# Altium PCB PCB1.PcbDoc (part 3 of 3)
Units mil, origin at the board's own origin, x right, y up, seen from the top; angles counter-clockwise.
Board outline 9239.32 x 6085 mil, 4 copper layers (Top Layer, GND, Power, Bottom Layer), stack 57.48 mil thick; 233 components, 161 nets, 767 pads, 460 vias.
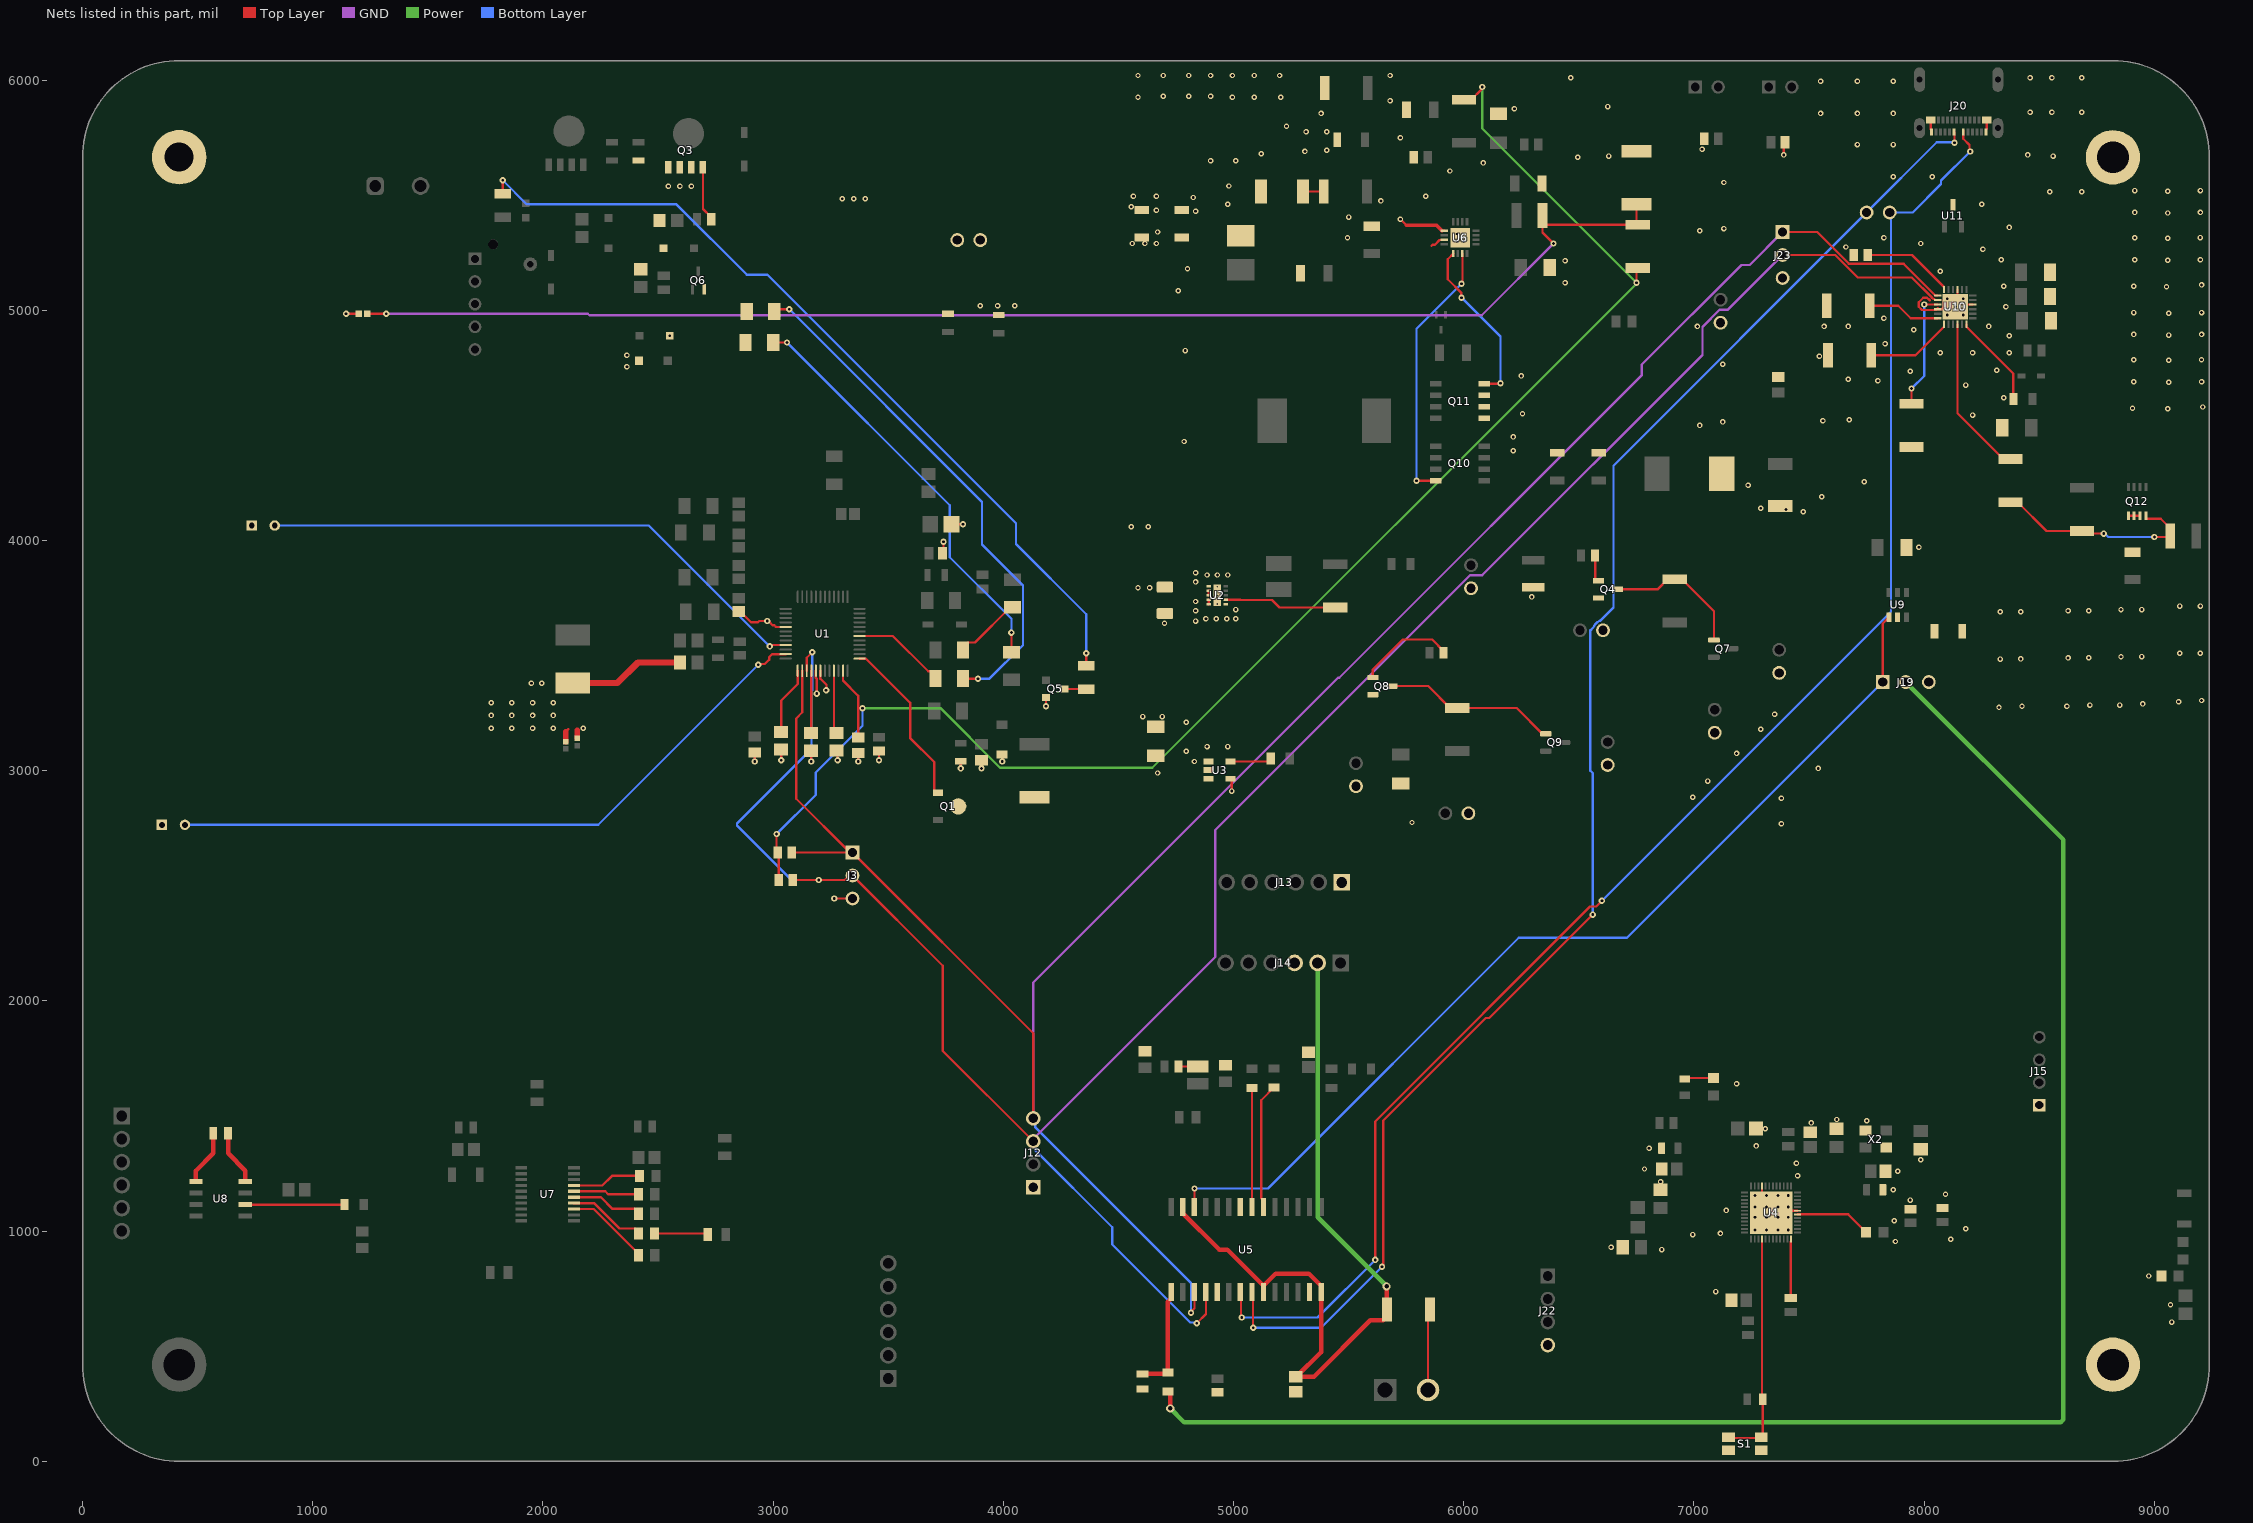
[diagram p5: the nets of this part, all layers, seen from the top]

## Via types
v1: diameter 23.62, hole 11.81, Top Layer to Bottom Layer, 351 vias
v2: diameter 27.56, hole 11.81, Top Layer to Bottom Layer, 91 vias
v3: diameter 18, hole 8, Top Layer to Bottom Layer, 11 vias
v4: diameter 35.43, hole 19.68, Top Layer to Bottom Layer, 7 vias

## Nets (pads, with @x,y where several pads share a name; then routed paths per layer and width w, separated by ;. In a path a pad name is that pad's centre, name@x,y a point inside that pad or via, vN(x,y) a via of type N, cw(c..) or ccw(c..) an arc to the next point about the centre after c; other vN are vias at no path point) (continued)
NetL2_2: L2.2 L3.1 | length 126.6
  Top Layer w10: L2.2@6960,1660.87 6963.94,1664.8 L3.1@7085,1664.8
NetL4_1: L4.1 U4.30 | length 331.1
  Top Layer w10: U4.30@7449.81,1072.76 7669.84,1072.76 7728.98,1013.62 7730.94,1013.62 7747.6,996.97 L4.1@7747.6,995
NetQ1_2: Q1.2 R3.1
NetQ1_3: Q1.3 U1.37 | length 744.7
  Top Layer w10: U1.37@3375.45,3486.73 3403.27,3486.73 3595,3295 3595,3141.83 3699.45,3037.38 3699.45,2912.83 3708.23,2904.06 Q1.3@3716.1,2904.06
NetQ3_4: Q3.4 R27.2 | length 240.9
  Top Layer w10: Q3.4@2695,5620.94 2695,5439.88 2731.02,5403.86 R27.2@2731.02,5395
NetQ4_1: Q4.1 R20.1 | length 120.5
  Top Layer w10: R20.1@6570.55,3935 6570.55,3831.81 6577.37,3825 Q4.1@6585,3825
NetQ4_3: Q4.3 Q7.1 R22.2 | length 618.9
  Top Layer w10: Q4.3@6668.46,3787.6 6841.54,3787.6 6885.24,3831.3 R22.2@6916.73,3831.3 6948.23,3831.3 7086.73,3692.8 Q7.1@7086.73,3567.6
NetQ5_3: Q5.3 R18.1 | length 95.7
  Top Layer w10: Q5.3@4264.37,3355 4264.57,3354.8 R18.1@4360,3354.8
NetQ8_1: Q8.1 R28.2 | length 424.6
  Top Layer w10: Q8.1@5605,3405 5605,3440 5735,3570 5862.83,3570 5912.29,3520.55 R28.2@5912.29,3512.6
NetQ8_3: Q8.3 Q9.1 R34.2 | length 753.9
  Top Layer w10: Q8.3@5688.46,3367.6 5845.24,3367.6 5940.24,3272.6 R34.2@5971.73,3272.6 6229.8,3272.6 6342.4,3160 Q9.1@6356.38,3160
NetQ10_4: Q10.4 U6.15 | length 1152.6
  Top Layer w10: v2(5795,4260) Q10.4@5878.4,4260.03 ; v2(5990,5115) 5990,5119.75 5994.35,5124.1 U6.15@5994.35,5246.6
  Bottom Layer w10: v2(5795,4260) 5795,4920 v2(5990,5115)
NetQ11_4: Q11.4 U6.13 | length 741.3
  Top Layer w10: U6.13@5954.97,5246.6 5930,5221.64 5930,5135 5989.65,5075.35 5989.65,5055.35 v2(5990,5055) ; Q11.4@6088.4,4680.03 6089.67,4681.31 6158.02,4681.31 v2(6159.3,4682.58)
  Bottom Layer w10: v2(5990,5055) 6159.3,4885.7 v2(6159.3,4682.58)
NetQ12_4: Q12.4 R83.1 R85.1 R87.2 | length 926.1
  Top Layer w10: R87.2@8375,4166.3 8406.5,4166.3 8531.5,4041.3 R83.1@8685,4041.3 8696.3,4030 v2(8780,4030) ; Q12.4@8963.39,4107.09 8963.39,4095.7 8964.9,4094.19 9027.98,4094.19 9068.7,4053.46 R85.1@9068.7,4020 9063.7,4015 v2(9000,4015)
  Bottom Layer w10: v2(8780,4030) 8784.75,4030 8799.75,4015 v2(9000,4015)
NetR2_1: R2.1 U1.25 | length 295.9
  Top Layer w10: R2.1@3035,3168.39 3035,3305 3106.73,3376.73 U1.25@3106.73,3434.55
NetR7_1: R7.1 U1.28 | length 271.2
  Top Layer w10: R7.1@3165.79,3163.39 U1.28@3165.79,3434.55
NetR12_2: R12.2 U1.33 | length 274.9
  Top Layer w10: U1.33@3264.21,3434.55 3264.21,3174.95 R12.2@3275,3164.16
NetR13_1: R13.1 R18.2 | length 3653
  Top Layer w10: R13.1@1825,5505.2 v2(1825,5565) ; R18.2@4360,3455.2 v2(4360,3510)
  Bottom Layer w10: v2(1825,5565) 1930,5460 2580,5460 2885.9,5154.1 2975.74,5154.1 4055,4074.84 4055,3985 4360,3680 v2(4360,3510)
NetR19_1: R19.1 U2.7 | length 488.8
  Top Layer w10: U2.7@4966.73,3742.28 5029.09,3742.28 5030.15,3741.22 5167.2,3741.22 5199.53,3708.9 R19.1@5441.73,3708.9
NetR30_1: R30.1 U3.5 | length 180.7
  Top Layer w10: U3.5@4986.22,3040 5149.13,3040 R30.1@5161.73,3052.6
NetR32_1: R32.1 R35.2 | length 297.3
  Top Layer w10: R35.2@3825.08,3525 3825.08,3534.89 3846.78,3556.58 3876.78,3556.58 4030.11,3709.92 R32.1@4040,3709.92
NetR36_2: R36.2 R37.1 | length 2269.4
  Top Layer w10: R37.1@3005.16,4995 3015.16,5005 v2(3070,5005) ; R36.2@3825.08,3400 v2(3890,3400)
  Bottom Layer w10: v2(3070,5005) 3907.32,4167.68 3907.32,3982.68 4085,3805 4085,3545 3940,3400 v2(3890,3400)
NetR38_2: R38.2 R39.1 | length 1808.7
  Top Layer w10: R39.1@3000.08,4860 v2(3060,4860) ; R38.2@4035,3515.08 v2(4035,3600)
  Bottom Layer w10: v2(3060,4860) 3767.32,4152.68 3767.32,3927.68 4035,3660 v2(4035,3600)
NetR41_1: R41.1 R45.2 U5.15 | length 467.4
  Top Layer w10: R41.1@4708.76,380.1 R41.1@4715,386.34 ; U5.15@4730,707.4 U5.15@4730,734.96
  Top Layer w19.68: R45.2@4605,380.1 R41.1@4708.76,380.1 ; R41.1@4715,386.34 4715,692.4 U5.15@4730,707.4
NetR46_2: R46.2 U5.6 | length 545.5
  Top Layer w10: U5.6@5130,1105.04 5130,1132.6 5120,1142.6 5120,1568.66 R46.2@5175,1623.66
NetR48_2: R48.2 U5.7 | length 517.3
  Top Layer w10: U5.7@5080,1105.04 R48.2@5080,1622.32
NetR51_2: R51.2 S1.1 S1.1' U4.16 | length 1020.5
  Top Layer w10: S1.1@7149.13,101.34 7290.87,101.34 S1.1'@7298.46,108.94 ; U4.16@7295.54,965.72 7295.54,272.93 R51.2@7298.46,270 S1.1'@7298.46,98.94
NetR52_2: R52.2 U4.24 | length 256.4
  Top Layer w10: R52.2@7420,710 7420,955.28 7421.52,956.8 U4.24@7421.52,965.72
NetR54_2: R54.2 U10.6 | length 398.6
  Top Layer w10: R54.2@7755.51,5240 7947.27,5240 8085.77,5101.5 U10.6@8085.77,5090.5
NetR56_1: R56.1 S2.2 | length 353.6
  Top Layer w10: S2.2@5845,310 5845,651.3 R56.1@5853.7,660
NetR57_1: R57.1 X3.1 | length 84.5
  Top Layer w10: R57.1@4760.51,1715 X3.1@4845,1715
NetR60_1: R60.1 R65.1 R68.2 RT3.2 | length 5937.5
  Top Layer w10: RT3.2@1237.68,4985 v2(1320,4985) ; R65.1@6341.9,5410.97 R65.1@6341.9,5387.03 ; v2(6390,5290) 6341.9,5338.1 R65.1@6341.9,5387.03 ; R68.2@6750.6,5460.78 6750.6,5375.97 R60.1@6755.6,5370.97 6357.96,5370.97 R65.1@6341.9,5387.03
  GND w10: v2(1320,4985) 2195.05,4985 2202,4978.05 6078.05,4978.05 v2(6390,5290)
NetR64_1: R64.1 R69.2 | length 90.8
  Top Layer w10: R64.1@5301.1,5515.97 R69.2@5391.9,5515.97
NetR71_1: R71.1 U7.17 | length 302.6
  Top Layer w10: U7.17@2134.25,1198.39 2258.13,1198.39 2299.75,1240 R71.1@2419.57,1240
NetR72_1: R72.1 U8.6 | length 431.4
  Top Layer w10: U8.6@707.25,1115 R72.1@1138.66,1115
NetR73_1: R73.1 U7.16 | length 286
  Top Layer w10: U7.16@2134.25,1172.8 2270.26,1172.8 2283.05,1160 R73.1@2415,1160
NetR74_1: R74.1 U7.15 | length 314.3
  Top Layer w10: U7.15@2134.25,1147.2 2252.13,1147.2 2302.76,1096.57 2399.88,1096.57 2414.57,1081.89 R74.1@2414.57,1075
NetR75_1: R75.1 U7.14 | length 338.9
  Top Layer w10: U7.14@2134.25,1121.61 2222.42,1121.61 2332.46,1011.57 2399.88,1011.57 2414.57,996.89 R75.1@2414.57,990
NetR75_2: R75.2 R76.1 | length 233.3
  Top Layer w10: R75.2@2485.43,990 2711.61,990 R76.1@2716.61,985
NetR77_1: R77.1 U7.13 | length 368.1
  Top Layer w10: U7.13@2134.25,1096.02 2220.87,1096.02 2415,901.89 R77.1@2415,895
NetR80_1: R80.1 U8.8 | length 241
  Top Layer w19.68: R80.1@632.5,1425 632.5,1337.65 707.25,1262.9 U8.8@707.25,1215
NetR80_2: R80.2 U8.1 | length 241
  Top Layer w19.68: U8.1@492.75,1215 492.75,1262.9 567.5,1337.65 R80.2@567.5,1425
NetR86_1: R86.1 U10.9 | length 513.6
  Top Layer w10: R86.1@7945,4593.7 v2(7945,4660) ; v2(8000,5025) 8000.16,5024.85 U10.9@8059.5,5024.85
  Bottom Layer w10: v2(7945,4660) 8000,4715 v2(8000,5025)
NetR87_1: R87.1 U10.16 | length 699.6
  Top Layer w10: U10.16@8144.84,4939.5 8144.84,4552.36 8343.5,4353.7 R87.1@8375,4353.7
NetR88_1: R88.1 U10.18 | length 408.6
  Top Layer w10: U10.18@8184.23,4939.5 8184.23,4928.5 8387.32,4725.4 R88.1@8387.32,4615
NetR90_2: R90.2 U10.12 | length 318.3
  Top Layer w10: R90.2@7763.7,5020 7887.02,5020 7941.24,4965.77 U10.12@8059.5,4965.77
NetR91_2: R91.2 U10.13 | length 377.9
  Top Layer w10: R91.2@7770,4805 7962.27,4805 8085.77,4928.5 U10.13@8085.77,4939.5
NetRT1_2: RT1.2 U1.21 | length 2439.4
  Top Layer w10: v2(2985,3540) 2989.75,3540 2995.54,3545.79 U1.21@3054.55,3545.79
  Bottom Layer w10: RT1.2@835,4065 2460,4065 v2(2985,3540)
NetRT2_2: RT2.2 U1.23 | length 2922.8
  Top Layer w10: v2(2935,3460) 2938.36,3463.36 2963.61,3463.36 2982.5,3482.25 2982.5,3492.75 2996.17,3506.42 U1.23@3054.55,3506.42
  Bottom Layer w10: RT2.2@445,2765 2240,2765 v2(2935,3460)
Pack: R36.1 U1.42 | length 412
  Top Layer w10: U1.42@3375.45,3585.16 3519.76,3585.16 3673.34,3431.58 3683.22,3431.58 3704.92,3409.89 R36.1@3704.92,3400
"Pack +": C16.2 C17.2 C18.1 C21.2 C47.2 C48.2 C50.2 C56.2 D5.1 D7.1 J6.1 Q3.1 Q3.2 Q3.3 Q6.2 R24.2 R25.2 R37.2 R39.2 R63.2 R64.2 U2.2 U2.3 U3.1 U3.4 U6.9 | length 287.2
  Top Layer w10: U2.3@4891.93,3761.97 U2.2@4891.93,3781.65 ; U3.4@4986.22,2965.2 4992.35,2959.06 v1(4992.35,2911.51) ; v1(5725,5395) 5751.03,5368.97 ; U6.9@5905.37,5345.03 U6.9@5915.6,5345.03
  Top Layer w15.75: 5751.03,5368.97 5881.43,5368.97 U6.9@5905.37,5345.03
  other v1: 4830,3040 4795,3085 4795,3210 4605,3235 4690,3235 4585,3795 4635,3795 4555,4060 4630,4060 2550.94,4890 4560,5290 4615,5290 4665,5290 5495,5315 4670,5340 5500,5405 4975,5460 5640,5475 3300,5485 3350,5485 3400,5485 2545,5539.09 2595,5539.09 2645,5539.09 4980,5540 5310,5690 5405,5695 5315,5775 5405,5775
"Pack -": C2.2 C3.2 C4.1 C5.1 C7.1 C11.1 C14.1 C17.1 C19.2 C20.2 C21.1 C22.2 C23.1 C24.1 C25.1 C26.1 C27.1 C28.1 C29.2 C30.1 C31.1 C32.1 C33.1 C34.1 C35.1 C36.1 C37.1 C39.1 C40.1 C41.1 C42.1 C43.1 C47.1 C48.1 C49.1 C53.1 C54.2 C55.2 C57.2 C61.1 C62.1 C64.1 C65.1 C66.1 C67.1 D4.2 D8.1 J3.3 J4.2 J5.2 J6.2 J7.2 J8.2 J9.2 J10.2 J11.2 J12.1 J13.1 J14.3 J15.1 J18.2 J19.3 J20.A1 J20.A12 J20.B1 J20.B12 J22.4 J23.3 L5.2 NT1.2 NT2.2 pad.6 pad.7 pad.8 Q4.2 Q5.2 Q8.2 Q11.1 Q11.2 Q11.3 R2.2 R7.2 R12.1 R15.1 R17.2 R23.1 R45.1 R47.1 R53.2 R54.1 R68.1 R78.1 R90.1 R91.1 RT1.1 RT2.1 RT3.1 S1.2 S1.2' U1.17 U1.29 U1.30 U2.1 U2.4 U2.5 U2.6 U2.11 U2.V U3.2 U3.3 U4.31 U4.45 U4.49 U5.8 U5.19 U5.27 U6. U6.11 U6.17 U6.V U10.3 U10.10 U10.22 U10.25 U11.3 X2.2 X2.4 | length 2398.1
  Top Layer w10: v2(1145,4985) RT3.1@1200,4985 ; 2100,3170 2110,3180 ; C5.1@2850,3695.14 2853.51,3695.14 2903.64,3645 2934.45,3645 2939.45,3650 2979.75,3650 2997.44,3632.31 3005.08,3632.31 3012.87,3624.53 U1.17@3054.55,3624.53 ; v2(2920,3040) C4.1@2920,3080 ; v2(3035,3045) R2.2@3035,3091.61 ; v2(3165,3040) R7.2@3165,3086.61 ; U1.29@3185.47,3434.55 3185.47,3404.28 3190,3399.75 v2(3190,3335) ; U1.30@3205.16,3434.55 3205.16,3399.84 3231.64,3373.36 3231.64,3351.64 v2(3230,3350) ; v2(3265,2445) J3.3@3345,2445 ; R12.1@3275,3087.39 3280,3082.39 v2(3280,3045) ; v2(3370,3040) C7.1@3370,3077.05 ; v2(3460,3045) C11.1@3460,3085.47 ; C2.2@3735.92,3945 3740,3949.08 v2(3740,3995) ; C3.2@3775,4070 v2(3825,4070) ; v2(3815,3010) C19.2@3815,3040.63 ; v2(3905,3010) R23.1@3905,3045.55 ; v2(3995,3040) D4.2@3995,3070.63 ; v2(4185,3280) 4185,3316.97 Q5.2@4185.63,3317.6 ; U3.3@4882.87,2965.2 U3.3@4891.73,2965.2 ; U2.5@4891.93,3722.6 U2.4@4891.93,3742.28 ; 5860,5280 5865,5285 5875,5285 5895.15,5305.15 5915.09,5305.15 U6.11@5915.6,5305.66 ; U4.45@7295.54,1195.54 7295.54,1168.13 7308.67,1155 v1(7315,1155) ; v1(7410,1105) 7410,1100.91 7422.41,1088.5 U4.31@7449.81,1088.5 ; 8018.5,5048.87 8023.6,5043.77 ; 8018.5,5048.88 8012.64,5054.74 7996.11,5054.74 7976.22,5034.85 7976.22,5015.15 7990.15,5001.22 8050.88,5001.22 8057.16,5007.5 U10.10@8059.5,5009.85 ; J20.B1@8027.95,5826.22 8027.95,5787.48 8031.89,5783.54 J20.A12@8031.89,5775.04 ; U10.10@8059.5,5005.15 8079.64,5005.15 8085,5005.15 8125.16,5005.15 v1(8135,5015) ; 8079.64,5009.85 8085,5009.85 8085.5,5010.35 8085.5,5035.39 8085.5,5044.53 8094.53,5044.53 v1(8100,5050) ; U10.3@8144.84,5090.5 8144.84,5024.85 U10.22@8210.5,5024.85 ; J20.A1@8268.11,5775.04 8268.11,5783.54 8272.05,5787.48 J20.B12@8272.05,5826.22
  Top Layer w23.62: NT1.2@2100,3126.5 2100,3170 ; NT2.2@2150,3140.75 2150,3175
  Top Layer w27.56: R17.2@2130,3380.75 2323.46,3380.75 2412.71,3470 R15.1@2595,3470
  other v1: 9075,605 9070,680 7094.5,737.5 8975,805 6860,920 6640,930 7875,955 8115,965 6995,985 7115,990 7265,1005 7315,1005 7365,1005 7410,1005 8180,1010 7870,1045 7265,1060 7315,1060 7365,1060 7410,1060 7140,1090 7265,1105 7315,1105 7365,1105 7940,1135 7265,1155 7365,1155 7410,1155 8092.5,1160.5 7865,1180 6855,1215 7450,1240 7885,1260 6785,1270 7445,1295 7985,1310 6805,1360 7270,1370 7310,1445 7510,1470 7750,1480 7620,1485 7185,1640 7380,2770 5775,2775 7380,2880 6995,2885 7060,2955 4670,2990 7540,3010 7185,3075 4885,3105 4975,3105 7290,3180 1775,3185 1865,3185 1955,3185 2045,3185 2175,3185 1775,3240 1865,3240 1955,3240 2045,3240 7350,3245 8325,3275 8425,3280 8620,3280 8720,3285 8850,3285 8950,3290 1775,3295 1865,3295 1955,3295 2045,3295 9105,3300 9205,3305 1950,3380 1995,3380 8330,3485 8419.53,3485.71 8625,3490 8714.53,3490.71 8855,3495 8944.53,3495.71 9110,3510 9199.53,3510.71 4700,3640 4835,3650 4880,3660 4925,3660 4970,3660 5010,3660 8330,3690 8420,3690 4835,3695 8625,3695 8715,3695 5010,3700 8855,3700 8945,3700 9110,3715 9200,3715 4835,3735 6295,3755 4835,3820 4885,3850 4930,3850 4975,3850 4835,3860 7977.07,3971.1 7475,4125 7555,4190 7740,4255 6215,4390 4785,4430 6215,4450 7125,4515 7560,4520 7675,4525 8210,4545 6255,4550 9057.5,4572.5 8905,4575 9210,4580 8345,4620 8180,4675 9062.5,4687.5 8910,4690 9205,4690 7799.19,4694.13 7670,4700 6250,4715 7940,4735 8315,4740 2365,4755 7125,4765 9062.5,4782.5 8910,4785 9204.53,4785.71 7545,4800 2365,4805 8070,4815 8210,4815 8370,4815 4790,4825 7830,4855 8370,4890 9062.5,4892.5 8910,4895 9205,4895 7955,4915 7565,4930 7670,4930 8280,4930 7825,4965 8100,4980 8170,4980 9062.5,4987.5 8910,4990 9205,4990 8355,5015 3900,5020 3975,5020 4050,5020 8170,5050 4760,5085 9052.5,5102.5 8345,5105 8910,5105 9205,5110 6440,5120 8070,5170 4800,5180 6440,5215 9057.5,5217.5 8335,5220 8915,5220 9200,5220 8255,5265 7660,5275 7985,5290 9057.5,5312.5 7825,5315 8915,5315 9199.53,5315.71 7130,5355 8370,5360 9057.5,5422.5 8915,5425 9200,5425 4835,5430 4665,5435 4555,5450 8250,5460 4825,5490 4565,5495 4665,5495 5835,5495 8545,5515 8685,5515 9057.5,5517.5 8915,5520 9200,5520 7130,5555 7865,5580 8035,5580 5940,5605 6085,5640 4900,5650 5010,5650 6495,5665 6630,5670 8560,5670 8450,5675 5120,5680 7710,5720 7865,5720 5725,5750 5230,5800 5380,5855 7550,5855 7710,5855 7865,5855 8460,5860 8555,5860 8685,5860 6220,5875 6625,5885 5680,5910 4585,5925 4995,5925 5090,5925 5205,5925 4695,5930 4805,5930 4900,5930 7550,5995 7710,5995 7865,5995 6465,6010 8460,6010 8555,6010 8685,6010 4585,6020 4695,6020 4805,6020 4900,6020 4995,6020 5090,6020 5200,6020 5680,6020
  other v2: 2975,3650
"PIC Power Supply": C23.2 J14.2 R56.2 U5.13 U5.23 U5.28 | length 3434.2
  Top Layer w10: U5.13@4780,1077.48 U5.13@4780,1105.04 ; U5.23@5130,734.96 U5.23@5130,762.52 ; U5.28@5380,734.96 U5.28@5380,762.52 ; R56.2@5650.24,612.44 5666.3,628.5 R56.2@5666.3,660 R56.2@5665,661.3
  Top Layer w19.68: U5.13@4780,1077.48 4937.48,920 4972.52,920 5130,762.52 5182.48,815 5327.52,815 U5.28@5380,762.52 ; C23.2@5270,367.48 5349.41,367.48 5594.37,612.44 R56.2@5650.24,612.44 ; C23.2@5272.95,367.48 5380,474.53 U5.28@5380,734.96 ; R56.2@5665,661.3 v4(5665,760)
  Power w19.68: J14.2@5365,2165 5365,1060 v4(5665,760)
REG1: C7.2 R9.2 R10.2 R60.2 R61.2 U1.35 | length 6885.4
  Top Layer w10: v2(3015,2725) 3015,2649.49 R9.2@3019.49,2645 3024.49,2640 R10.2@3024.49,2525 ; U1.35@3303.58,3434.55 3303.58,3391.42 3370,3325 3370,3271.89 ; C7.2@3370,3145 3370,3271.89 ; v2(3388.11,3271.89) 3370,3271.89 ; R61.2@6000.6,5914.67 6032.1,5914.67 6076.64,5959.21 6076.64,5966.64 v2(6080,5970) ; v2(6750,5120) 6750,5177.96 R60.2@6755.6,5183.56
  Power w10: v2(3388.11,3271.89) 3726.54,3271.89 3985.75,3012.68 4647.24,3012.68 6750,5115.44 v2(6750,5120) 6080,5790 v2(6080,5970)
  Bottom Layer w10: v2(3015,2725) 3184.95,2894.95 3184.95,2992.61 3388.11,3195.77 v2(3388.11,3271.89)
SCL: J3.1 J12.4 J23.1 R9.1 U1.26 U5.17 U10.7 | length 9866.9
  Top Layer w10: R9.1@3080.51,2645 3333.52,2645 3100,2878.52 3100,3227.05 3126.42,3253.47 U1.26@3126.42,3434.55 ; J3.1@3345,2645 4130,1860 J12.4@4130,1490 ; v2(4815,645) 4815,649.75 4830,664.75 U5.17@4830,734.96 ; J23.1@7385,5340 7535.07,5340 7672.96,5202.11 7910.61,5202.11 8048.5,5064.23 U10.7@8059.5,5064.23
  GND w10: J12.4@4130,1490 4130,2080 5453.41,3403.41 5459.25,3403.41 6772.48,4716.64 6772.48,4763.66 7205.93,5197.1 7242.1,5197.1 J23.1@7385,5340
  Bottom Layer w10: J12.4@4130,1490 4137.95,1482.05 4137.95,1452.05 4815,775 v2(4815,645)
SDA: J3.2 J12.3 J23.2 R10.1 U1.27 U5.18 U10.8 | length 10436.2
  Top Layer w10: R10.1@3085.51,2525 v2(3198.49,2525) 3311.47,2525 3331.47,2545 J3.2@3345,2545 3737.19,2152.8 3737.19,1782.8 J12.3@4130,1390 ; U1.27@3146.1,3434.55 3146.1,3491.1 v2(3170,3515) ; v2(4840,600) 4880,640 U5.18@4880,734.96 ; J23.2@7385,5240 7613.86,5240 7711.09,5142.76 7945.83,5142.76 8033.5,5055.09 8039.36,5049.23 8043.81,5049.23 8048.5,5044.53 U10.8@8059.5,5044.53
  GND w10: J12.3@4130,1390 4130,1399.61 4920.78,2190.39 4920.78,2742.46 6027.92,3849.6 6080.44,3849.6 7036.81,4805.97 7036.81,4927.98 7111.79,5002.97 7147.97,5002.97 J23.2@7385,5240
  Bottom Layer w10: v2(3170,3515) 3170,3348.63 3166.22,3344.85 3166.22,3093.93 2842.97,2770.67 2842.97,2762.39 3080.35,2525 v2(3198.49,2525) ; J12.3@4130,1390 4137.95,1382.05 4137.95,1352.05 4472.97,1017.03 4472.97,942.03 4811.64,603.36 4836.64,603.36 v2(4840,600)
"USB Comms Enable": J19.1 U5.12 U9.1 | length 4274.4
  Top Layer w10: U5.12@4830,1105.04 v2(4830,1185) ; J19.1@7820,3385 7820,3639.15 U9.1@7847.6,3666.75
  Bottom Layer w10: v2(4830,1185) 5150,1185 6239.18,2274.18 6709.18,2274.18 J19.1@7820,3385
"USB-C 5V": C62.2 J19.2 R41.2 U9.2 | length 7483.4
  Top Layer w10: R41.2@4715,303.66 R41.2@4725,293.66 ; U9.2@7885,3658 U9.2@7885,3666.75
  Top Layer w19.68: v4(4725,230) R41.2@4725,293.66
  Power w19.68: v4(4725,230) 4785,170 8593.47,170 8605,181.53 8605,2700 J19.2@7920,3385
USB_N: J20.A7 J21.2 U5.22 | length 6852.5
  Top Layer w10: U5.22@5080,734.96 5084.67,730.29 5084.67,580.33 v2(5085,580) ; v2(5645,845) 5650,850 5650,1480 6095.82,1925.82 6110.82,1925.82 v2(6560,2375) ; J20.A7@8130.16,5774.02 8131.82,5772.36 v2(8131.82,5728.19)
  Bottom Layer w10: v2(5085,580) 5380,580 v2(5645,845) ; v2(6560,2375) 6560,2989.63 6550,2999.63 6550,3609.51 6562.7,3622.21 6567.21,3630.51 cw(c6605,3610) 6591.23,3650.73 6650,3709.51 6650,4325 J21.2@7750,5425 8055,5730 8130,5730 v2(8131.82,5728.19)
USB_P: J20.A6 J21.1 U5.21 | length 6863
  Top Layer w10: U5.21@5030,734.96 5032.5,732.46 5032.5,627.5 v2(5035,625) ; v2(5615,875) 5615,1476.57 6548.87,2410.44 6575.44,2410.44 v2(6600,2435) ; J20.A6@8169.68,5780.04 8169.68,5745.16 8196.64,5718.2 8196.64,5693.36 v2(8200,5690)
  Bottom Layer w10: v2(5035,625) 5365,625 v2(5615,875) ; v2(6600,2435) 7855.91,3690.91 7855.91,5419.09 J21.1@7850,5425 7950,5425 8073.32,5548.32 8073.32,5563.32 v2(8200,5690)
"VBUS +": C63.1 D10.2 Q12.1 Q12.2 Q12.3 R58.2 R66.1 R70.1 R86.2 | length 118.7
  Top Layer w10: v1(7390,5675) 7390,5724.49 R70.1@7395.51,5730 ; Q12.1@8886.61,4107.09 Q12.2@8912.2,4107.09 Q12.3@8937.8,4107.09 ; C63.1@8905,3949.06 C63.1@8912.2,3956.26
  other v1: 7400,4135 7290,4140 7235,4240 7025,4500 7015,4930 7025,5345 7035,5700
pads on no net: D11.2 E1.2 J2. J13.2 J13.3 J13.6 J14.6 J16.6 J20.A2 J20.A3 J20.A8 J20.A10 J20.A11 J20.B2 J20.B3 J20.B6 J20.B7 J20.B9 J20.B10 J20.B11 J20.S1 J20.S2 J20.S3 J20.S4 R52.1 U1.1 U1.3 U1.5 U1.7 U1.9 U1.11 U1.19 U1.22 U1.31 U1.32 U1.34 U1.39 U1.40 U1.44 U4.4 U4.5 U4.6 U4.7 U4.8 U4.9 U4.10 U4.11 U4.12 U4.17 U4.18 U4.19 U4.20 U4.21 U4.22 U4.23 U4.27 U4.28 U4.29 U4.37 U4.38 U4.39 U4.40 U4.41 U4.42 U4.43 U4.44 U9.3 U9.4 U9.6 U10.11 U10.14 U10.15 U10.17 U10.19 U10.20

## Polygon pours and split planes (outlines as drawn)
"Pack -" on Top Layer "PACK_-_L01_P070" (solid, pour order 70): 7455,4100 7455,6070 8820,6070 8945,6050 9040,6005 9125,5935 9190,5830 9215,5755 9225,5680 9225,2640 7455,2640
"Pack -" on Top Layer "PACK_-_L01_P087" (solid, pour order 87): 4535,6070 4535,4040 7590,4040 7590,6070
"Pack +" on Top Layer "PACK_+_L01_P021" (solid, pour order 21): 2500,4915 2525,4935 2600,4935 2670,5005 2670,5128.67 2935,5295 3145,5295 3235,5355 3235,5495 3250,5510 3820,5510 3840,5495 3840,4970 3830,4960 3715,4960 3655,4900 3655,4735 3605,4685 2520,4685 2495,4710
"3.3V for PIC" on Top Layer "3.3V_FOR_PIC_L01_P005" (solid, pour order 5): 7485,1685 7485,3327.63 7472.63,3340 7034.73,3340 7022.37,3327.63 7022.37,3227.37 7034.73,3215 7405,3215 7420,3205 7420,1845 7330,1755 7330,1690 7375,1645 7445,1645 7485,1685 7485,1760 7485,1720
"3.3V for PIC" on Top Layer "3.3V_FOR_PIC_L01_P110" (solid, pour order 110): 6875,1445 6865,1435 6830,1435 6820,1445 6820,1745 6835,1760 8380,1760 8455,1685 8535,1685 8545,1675 8545,1610 8535,1600 8400,1600 8315,1685 7485,1685 7450,1650 7450,1420 7435,1405 7385,1405 7365,1425 7365,1655 7330,1690 6890,1690 6875,1675
"3.3V for PIC" on Top Layer "3.3V_FOR_PIC_L01_P112" (solid, pour order 112): 6320,785 6320,1485 6335,1500 6810,1500 6820,1510 6875,1510 6875,1445 6865,1435 6415,1435 6400,1420 6400,875 6420,855 6420,785
"3.3V for PIC" on Top Layer "3.3V_FOR_PIC_L01_P107" (solid, pour order 107): 6335,855 6320,840 6320,785 6335,770 6865,770 7165,470 7165,235 7180,220 7245,220 7255,230 7255,475 7265,475 7275,485 7275,565 7265,575 7195,575 6915,855
NetC61_2 on Top Layer "NETC61_2_L01_P007" (solid, pour order 7): 8517.03,5327.97 8254.53,5590.47 8152.03,5590.47 8067.03,5675.47 8067.03,5762.97 8082.03,5777.97 8097.03,5777.97 8107.03,5765.47 8107.03,5700.47 8172.03,5635.47 8237.03,5635.47 8237.03,5727.97 8202.03,5762.97 8202.03,5782.97 8217.03,5782.97 8217.03,5762.97 8282.03,5697.97 8282.03,5652.97 8302.03,5652.97 8529.53,5425.47 8742.03,5425.47 8742.03,4472.97 8832.03,4472.97 8952.03,4352.97 8977.03,4352.97 8977.03,4147.97 9032.03,4147.97 9032.03,4132.97 8817.03,4132.97 8817.03,4147.97 8867.03,4147.97 8867.03,4312.97 8847.03,4292.97 8727.03,4292.97 8727.03,4227.97 8647.03,4227.97 8647.03,4307.97 8617.03,4337.97 8617.03,5327.97
GNDA on Top Layer "GNDA_L01_P129" (solid, pour order 129): 3865,2185 3865,15 395,15 310,30 235,60 145,120 85,190 35,295 15,410 15,2185
"Pack -" on Top Layer "PACK_-_L01_P117" (solid, pour order 117): 4580,2185 4580,15 3875,15 3875,2185
"Pack -" on Top Layer "PACK_-_L01_P116" (solid, pour order 116): 6205,2745 9220,2745 9220,385 9200,280 9150,190 9102.5,132.5 9062.5,92.5 8985,45 8905,25 8820,15 6205,15
"Pack -" on Top Layer "PACK_-_L01_P106" (solid, pour order 106): 4535,2745 4535,15 6310,15 6310,2745
"Pack -" on Top Layer "PACK_-_L01_P103" (solid, pour order 103): 4534.4,4136.58 7589.4,4136.58 7589.4,2631.58 4534.4,2631.58
"Pack +" on Top Layer "PACK_+_L01_P094" (solid, pour order 94): 4965,2995 4955,2985 4955,2930 4945,2920 4850,2920 4840,2930 4840,3015 4850,3025 4915,3025 4920,3030 4920,3050 4910,3060 4850,3060 4840,3070 4840,3220 4650,3410 4650,3795 4640,3805 4575,3805 4565,3795 4565,3200 4625,3140 4730,3140 4765,3105 4765,2885 4775,2875 5020,2875 5035,2890 5035,2985 5025,2995
"Pack +" on Top Layer "PACK_+_L01_P093" (solid, pour order 93): 4905,3785 4900,3790 4830,3790 4785,3835 4575,3835 4565,3825 4565,3765 4575,3755 4900,3755 4905,3760
"Pack -" on Top Layer "PACK_-_L01_P088" (solid, pour order 88): 4550,5525 4655,5420 4655,5385 4040,5385 4005,5420 4005,5490 4040,5525
"Pack +" on Top Layer "PACK_+_L01_P086" (solid, remove dead copper, pour order 86): 4540,5375 4540,5275 4555,5260 5310,5260 5340,5290 5725,5290 5755,5320 5755,5555 5685,5625 5530,5625 5495,5660 5495,5765 5460,5800 5300,5800 5110,5610 4990,5610 4955,5575 4955,5395 4940,5380 4540,5380
"VBUS +" on Top Layer "VBUS_+_L01_P075" (solid, pour order 75): 7030,4365 6990,4405 6990,5770 7000,5780 7060,5780 7075,5765 7075,5700 7090,5685 7360,5685 7365,5690 7365,5770 7370,5775 7420,5775 7425,5770 7425,5670 7405,5650 7055,5650 7055,4465 7100,4420 7100,4375 7090,4365
"VBUS +" on Top Layer "VBUS_+_L01_P074" (solid, pour order 74): 7425,4115 7075,4115 7030,4160 7030,4365 7080,4415 7205,4415 7255,4365 7255,4260 7310,4205 7425,4205
NetC41_2 on Top Layer "NETC41_2_L01_P073" (solid, pour order 73): 6865,4430 6930,4365 6930,4190 6900,4160 6065,4160 6010,4215 6010,4310 6030,4330 6670,4330 6770,4430
NetC50_1 on Top Layer "NETC50_1_L01_P072" (solid, pour order 72): 4925,5240 5130,5240 5180,5190 5180,5105 5275,5010 5275,4205 5225,4155 4975,4155 4925,4205
NetC44_2 on Top Layer "NETC44_2_L01_P071" (solid, pour order 71): 5550,4870 5920,4870 5960,4830 5960,4740 5990,4740 6045,4685 6045,4520 6030,4505 5935,4505 5915,4485 5915,4300 5905,4290 5560,4290 5535,4315 5535,4855
"VBUS +" on Top Layer "VBUS_+_L01_P069" (solid, pour order 69): 8885,4130 8875,4120 8875,4035 8830,3990 8235,3990 8235,4225 8015,4445 7650,4445 7395,4190 7320,4190 7320,4115 7425,4115 7680,4370 7985,4370 8140,4215 8140,3905 8925,3905 8950,3930 8950,4120 8940,4130
1N on Top Layer "1N_L01_P067" (solid, pour order 67): 1770,4885 1795,4860 1795,3930 1920,3805 1920,3525 1595,3850 1595,4860 1620,4885
4P on Top Layer "4P_L01_P065" (solid, pour order 65): 910,5140 920,5130 1310,5130 1725,5130 1740,5145 1740,5650 1725,5665 950,5665 910,5625
"Pack -" on Top Layer "PACK_-_L01_P049" (solid, pour order 49): 3860,5495 3875,5510 4075,5510 4085,5500 4085,4970 4075,4960 3870,4960 3860,4970
NetQ1_2 on Top Layer "NETQ1_2_L01_P048" (solid, pour order 48): 3695,2865 3690,2860 3690,2830 3695,2825 3740,2825 3765,2800 3980,2800 4010,2830 4215,2830 4240,2855 4240,2915 4215,2940 3995,2940 3945,2890 3765,2890 3740,2865
"Pack -" on Top Layer "PACK_-_L01_P047" (solid, pour order 47): 2210,3430 2215,3425 2215,3175 2200,3160 1750,3160 1720,3190 1720,3420 1730,3430
1N on Top Layer "1N_L01_P035" (solid, pour order 35): 2230,3525 2230,3646.67 2250,3650 2655,3650 2660,3655 2660,3730 2650,3740 2605,3740 2465,3805 1930,3805 1910,3805 1910,3525
NetC18_2 on Top Layer "NETC18_2_L01_P024" (solid, pour order 24): 3710,4930 3720,4940 4035,4940 4065,4910 4065,4740 4040,4715 3725,4715 3710,4730
"Pack -" on Top Layer "PACK_-_L01_P020" (solid, pour order 20): 2330,4815 2350,4835 2450,4835 2460,4825 2460,4735 2450,4725 2350,4725 2330,4745
4P on Top Layer "4P_L01_P019" (solid, pour order 19): 2135,5665 cw(c2135,5652.93) 2143.54,5661.46 2145,5660 2145,5565 2100,5520 2100,5365 2115,5350 2295,5350 2315,5330 2315,5150 2295,5130 1725,5130 1685,5170 1685,5640 1710,5665
"Pack +" on Top Layer "PACK_+_L01_P017" (solid, pour order 17): 2375,5670 2370,5665 2370,5150 2375,5145 2480,5145 2485,5150 2485,5235 2595,5235 2590,5240 2590,5325 2585,5330 2550,5330 2545,5335 2545,5445 2550,5450 2655,5450 2665,5460 2665,5650 2660,5655 2650,5655 2470,5655 2455,5670
4P on Top Layer "4P_L01_P015" (solid, pour order 15): 2250,5665 cw(c2255,5665) 2255,5670 2345,5670 ccw(c2350,5670) 2350,5665 2350,5455 cw(c2345.45,5455) 2345.45,5450.45 2240,5450.45 ccw(c2235.04,5450.02) 2235,5455 cw(c2235,5460) 2230,5460 2230,5620 cw(c2235,5620) 2235,5625 2245,5625 ccw(c2246.25,5628.75) 2250,5630
CD on Top Layer "CD_L01_P012" (solid, pour order 12): 2225,6050 cw(c2225,6045) 2230,6045 2230,5685 cw(c2225,5685) 2225,5680 1910,5680 cw(c1910,5695) 1895,5695 1895,6030 cw(c1912.5,6032.5) 1910,6050
CD on Top Layer "CD_L01_P011" (solid, pour order 11): 2830,6050 cw(c2830,6045) 2835,6045 2830,5680 cw(c2825,5680) 2825,5675 2500,5675 cw(c2500,5680) 2495,5680 2495,6045 cw(c2500,6045) 2500,6050
CD on Top Layer "CD_L01_P010" (solid, pour order 10): 2925,6050 cw(c2925,6045) 2930,6045 2930,5730 cw(c2925,5730) 2925,5725 2825,5725 ccw(c2824.96,5724.96) 2824.92,5724.92 2825,6045 cw(c2830,6045) 2830,6050
NetC15_2 on Top Layer "NETC15_2_L01_P009" (solid, pour order 9): 2255,5900 2470,5900 cw(c2470,5895) 2475,5895 2475,5710 cw(c2470,5710) 2470,5705 2255,5705 cw(c2255,5710) 2250,5710 2250,5895 cw(c2255,5895)
"USB-C 5V" on Top Layer "USB-C_5V_L01_P008" (solid, pour order 8): 7870,3685 7900,3685 7900,3655 7913.5,3641.5 8068.5,3641.5 8075,3635 8075,3570 8070,3565 7990,3565 7975,3550 7975,3350 7960,3335 7890,3335 7880,3345 7885,3350 7885,3615 7870,3630
"Pack +" on Top Layer "PACK_+_L01_P006" (solid, pour order 6): 4705,5305 4705,4035 4695,4025 4535,4025 4535,5305
NetC41_2 on Top Layer "NETC41_2_L01_P000" (solid, pour order 0): 6010,4310 6010,4420 6030,4440 6155,4440 6170,4425 6170,4310
CD on Top Layer "CD_L01_P013" (solid, pour order 13): 2500,6050 cw(c2500,6045) 2505,6045 2505,5680 cw(c2500,5680) 2500,5675 cw(c2500,5680) 2495,5680 2495,5895 ccw(c2470,5895) 2470,5920 2255,5920 ccw(c2254.99,5895.01) 2230,5895 2230,5685 cw(c2225,5685) 2225,5680 2220,6044.01 cw(c2225.99,6044.01) 2225.99,6050
"Pack +" on Top Layer "PACK_+_L01_P098" (solid, pour order 98): 4565,3825 4565,4025 4545,4025 4535,4035 4535,4085 4660,4085 4660,4035 4650,4025 4630,4025 4630,3825
"Pack -" on Bottom Layer "PACK_-_L04_P084" (solid, pour order 84): 4475,6070 4475,4600 4535,4600 4535,4040 7590,4040 7590,6070
"Pack -" on Bottom Layer "PACK_-_L04_P121" (solid, pour order 121): 4580,2185 4580,15 3875,15 3875,2185
"Pack -" on Bottom Layer "PACK_-_L04_P031" (solid, pour order 31): 2080,3160 2130,3200 2130,4545 2185,4600 4080,4595 4515,4600 4520,6065 4080,6065 2245,6065 410,6065 285,6045 172.5,5977.5 90,5895 30,5775 15,5680 15,3195 15,3160
NetC61_2 on Bottom Layer "NETC61_2_L04_P053" (solid, pour order 53): 8490,4795 8515,4820 8805,4820 8805,4230 8385,3810 7660,3810 7660,3905 7680,3925 8355,3925 8490,4060
NetC61_2 on Bottom Layer "NETC61_2_L04_P052" (solid, pour order 52): 8755,5435 8505,5435 8385,5315 8385,5190 8755,5190
GNDA on Bottom Layer "GNDA_L04_P126" (solid, pour order 126): 3865,2185 3865,15 395,15 310,30 235,60 145,120 85,190 35,295 15,410 15,2185
"Pack -" on Bottom Layer "PACK_-_L04_P114" (solid, pour order 114): 6205,2745 9220,2745 9220,385 9200,280 9150,190 9102.5,132.5 9062.5,92.5 8985,45 8905,25 8820,15 6205,15
"Pack -" on Bottom Layer "PACK_-_L04_P100" (solid, pour order 100): 4535,2745 4535,15 6310,15 6310,2745
"Pack -" on Bottom Layer "PACK_-_L04_P096" (solid, pour order 96): 4535,4145 7590,4145 7590,2640 4535,2640
"Pack -" on Bottom Layer "PACK_-_L04_P063" (solid, pour order 63): 4520,4585 2185,4585 2145,4545 2145,3200 2140,3200 2085,3145 15,3145 15,3105 15,2200 4520,2200
"Pack +" on Bottom Layer "PACK_+_L04_P026" (solid, pour order 26): 2450,5475 2475,5450 2825,5450 2850,5475 2850,5695 2870,5715 2960,5715 3165,5510 3165,5475 3190,5450 3500,5450 3525,5475 3525,5625 3260,5890 2460,5890 2445,5875
4P on Bottom Layer "4P_L04_P027" (solid, pour order 27): 2165,5515 2345,5515 2365,5535 2365,5655 2290.16,5729.84 1829.84,5729.84 1755,5655 1755,5625 1775,5605 1865,5605 1980,5490 2140,5490
"Pack -" on GND "PACK_-_L02_P059" (solid, pour order 59): 7455,4100 7455,6070 8820,6070 8945,6050 9040,6005 9125,5935 9190,5830 9215,5755 9225,5680 9225,2640 7455,2640
"Pack -" on GND "PACK_-_L02_P083" (solid, pour order 83): 4475,6070 4475,4600 4535,4600 4535,4042.51 7585,4037.51 7585,6070
"Pack -" on GND "PACK_-_L02_P034" (solid, pour order 34): 4520,4585 2185,4585 2145,4545 2145,3200 2140,3200 2085,3145 15,3145 15,3105 15,2200 4520,2200
"Pack -" on GND "PACK_-_L02_P060" (solid, pour order 60): 2085,3160 2130,3205 2130,4545 2185,4600 4080,4600 4515,4600 4520,6070 4080,6070 2245,6070 410,6070 285,6050 172.5,5982.5 90,5900 30,5780 15,5685 15,3200 15,3160
GNDA on GND "GNDA_L02_P128" (solid, pour order 128): 3865,2185 3865,15 395,15 310,30 235,60 145,120 85,190 35,295 15,410 15,2185
"Pack -" on GND "PACK_-_L02_P120" (solid, pour order 120): 4580,2185 4580,15 3875,15 3875,2185
"Pack -" on GND "PACK_-_L02_P113" (solid, pour order 113): 6205,2745 9220,2745 9220,385 9200,280 9150,190 9102.5,132.5 9062.5,92.5 8985,45 8905,25 8820,15 6205,15
"Pack -" on GND "PACK_-_L02_P099" (solid, pour order 99): 4535,2745 4535,15 6310,15 6310,2745
"Pack -" on GND "PACK_-_L02_P095" (solid, pour order 95): 4535,4145 7590,4145 7590,2640 4535,2640
"Pack -" on Power "PACK_-_L03_P078" (solid, pour order 78): 7455,6070 8820,6070 8945,6050 9040,6005 9125,5935 9190,5830 9215,5755 9225,5680 9225,2640 7455,2640
"Pack -" on Power "PACK_-_L03_P077" (solid, pour order 77): 7455,6070 8820,6070 8945,6050 9040,6005 9125,5935 9190,5830 9215,5755 9225,5680 9225,3210 7515,3210 7500,4105 7455,4105
"Pack -" on Power "PACK_-_L03_P090" (solid, pour order 90): 4475,6070 4475,4600 4535,4600 4535,4040 7590,4040 7590,6070
"Pack -" on Power "PACK_-_L03_P076" (solid, pour order 76): 4520,4585 2185,4585 2145,4545 2145,3200 2140,3200 2085,3145 15,3145 15,3105 15,2200 4520,2200
"Pack -" on Power "PACK_-_L03_P066" (solid, pour order 66): 2085,3160 2130,3205 2130,4545 2185,4600 4080,4600 4515,4600 4520,6070 4080,6070 2245,6070 410,6070 285,6050 172.5,5982.5 90,5900 30,5780 15,5685 15,3200 15,3160
NetC61_2 on Power "NETC61_2_L03_P062" (solid, pour order 62): 8490,4795 8515,4820 8805,4820 8805,4230 8385,3810 7660,3810 7660,3905 7680,3925 8355,3925 8490,4060
NetC61_2 on Power "NETC61_2_L03_P056" (solid, pour order 56): 8520,5327.5 8257.5,5590 8155,5590 8070,5675 8070,5762.5 8085,5777.5 8100,5777.5 8110,5765 8110,5700 8175,5635 8240,5635 8240,5727.5 8205,5762.5 8205,5782.5 8220,5782.5 8220,5762.5 8285,5697.5 8285,5652.5 8305,5652.5 8532.5,5425 8745,5425 8745,4472.5 8835,4472.5 8955,4352.5 8980,4352.5 8980,4147.5 9035,4147.5 9035,4132.5 8820,4132.5 8820,4147.5 8870,4147.5 8870,4312.5 8850,4292.5 8730,4292.5 8730,4227.5 8650,4227.5 8650,4307.5 8620,4337.5 8620,5327.5
NetC61_2 on Power "NETC61_2_L03_P064" (solid, pour order 64): 8755,5435 8505,5435 8385,5315 8385,5190 8755,5190
GNDA on Power "GNDA_L03_P127" (solid, pour order 127): 3865,2185 3865,15 395,15 310,30 235,60 145,120 85,190 35,295 15,410 15,2185
"Pack -" on Power "PACK_-_L03_P122" (solid, pour order 122): 4580,2185 4580,15 3875,15 3875,2185
"Pack -" on Power "PACK_-_L03_P115" (solid, pour order 115): 6205,2745 9220,2745 9220,385 9200,280 9150,190 9102.5,132.5 9062.5,92.5 8985,45 8905,25 8820,15 6205,15
3.3V on Power "3.3V_L03_P111" (solid, pour order 111): 6320,785 6320,1485 6335,1500 6810,1500 6820,1510 6875,1510 6875,1445 6865,1435 6415,1435 6400,1420 6400,875 6420,855 6420,785
3.3V on Power "3.3V_L03_P109" (solid, pour order 109): 6875,1445 6865,1435 6830,1435 6820,1445 6820,1745 6835,1760 8380,1760 8455,1685 8535,1685 8545,1675 8545,1610 8535,1600 8400,1600 8315,1685 7485,1685 7445,1645 7445,1415 7435,1405 7385,1405 7375,1415 7375,1645 7330,1690 6890,1690 6875,1675
3.3V on Power "3.3V_L03_P105" (solid, pour order 105): 6335,855 6320,840 6320,785 6335,770 6865,770 7165,470 7165,235 7180,220 7245,220 7255,230 7255,475 7265,475 7275,485 7275,565 7265,575 7195,575 6915,855
"Pack -" on Power "PACK_-_L03_P102" (solid, pour order 102): 4535,2745 4535,15 6310,15 6310,2745
"Pack -" on Power "PACK_-_L03_P101" (solid, pour order 101): 4535,4145 7590,4145 7590,2640 4535,2640
"Pack +" on Power "PACK_+_L03_P055" (solid, pour order 55): 3730,5370 3745,5370 3755,5380 3840,5380 3850,5370 3850,5230 4265,5230 4405,5370 4680,5370 4705,5345 4705,5290 4705,5165 4691.13,5151.13 4265.54,5147 3822.31,5142.69 3730,5235
3.3V on Power "3.3V_L03_P044" (solid, pour order 44): 7485,1685 7485,3560 7470,3575 7310,3575 7295,3560 7295,3490 7310,3475 7410,3475 7420,3465 7420,1845 7330,1755 7330,1690 7375,1645 7445,1645 7485,1685 7485,1760 7485,1720
"Pack +" on Power "PACK_+_L03_P092" (solid, pour order 92): 4965,2995 4955,2985 4955,2930 4945,2920 4850,2920 4840,2930 4840,3015 4850,3025 4915,3025 4920,3030 4920,3050 4910,3060 4850,3060 4840,3070 4840,3220 4650,3410 4650,3795 4640,3805 4575,3805 4565,3795 4565,3200 4625,3140 4730,3140 4765,3105 4765,2885 4775,2875 5020,2875 5035,2890 5035,2985 5025,2995
"Pack +" on Power "PACK_+_L03_P050" (solid, pour order 50): 4705,5165 4705,4035 4695,4025 4535,4025 4535,5165
"VBUS +" on Power "VBUS_+_L03_P061" (solid, pour order 61): 8885,4130 8875,4120 8875,4035 8830,3990 8235,3990 8235,4225 8015,4445 7650,4445 7395,4190 7320,4190 7320,4115 7425,4115 7680,4370 7985,4370 8140,4215 8140,3905 8925,3905 8950,3930 8950,4120 8940,4130
"Pack +" on Power "PACK_+_L03_P079" (solid, remove dead copper, pour order 79): 4540,5375 4540,5275 4555,5260 5310,5260 5340,5290 5725,5290 5755,5320 5755,5555 5685,5625 5530,5625 5495,5660 5495,5765 5460,5800 5300,5800 5110,5610 4990,5610 4955,5575 4955,5395 4940,5380 4540,5380
"VBUS +" on Power "VBUS_+_L03_P080" (solid, pour order 80): 7425,4115 7075,4115 7030,4160 7030,4365 7080,4415 7205,4415 7255,4365 7255,4260 7310,4205 7425,4205
"VBUS +" on Power "VBUS_+_L03_P081" (solid, pour order 81): 7030,4365 6990,4405 6990,5770 7000,5780 7060,5780 7075,5765 7075,5700 7090,5685 7360,5685 7365,5690 7365,5770 7370,5775 7420,5775 7425,5770 7425,5670 7405,5650 7055,5650 7055,4465 7100,4420 7100,4375 7090,4365
NetC41_2 on Power "NETC41_2_L03_P082" (solid, pour order 82): 6865,4430 6930,4365 6930,4190 6900,4160 6065,4160 6010,4215 6010,4310 6030,4330 6670,4330 6770,4430
NetC44_2 on Power "NETC44_2_L03_P085" (solid, pour order 85): 5550,4870 5920,4870 5960,4830 5960,4740 5990,4740 6045,4685 6045,4520 6030,4505 5935,4505 5915,4485 5915,4300 5905,4290 5560,4290 5535,4315 5535,4855
NetC50_1 on Power "NETC50_1_L03_P089" (solid, pour order 89): 4925,5240 5130,5240 5180,5190 5180,5105 5275,5010 5275,4205 5225,4155 4975,4155 4925,4205
"Pack +" on Power "PACK_+_L03_P091" (solid, pour order 91): 4905,3785 4900,3790 4830,3790 4785,3835 4575,3835 4565,3825 4565,3765 4575,3755 4900,3755 4905,3760
"Pack +" on Power "PACK_+_L03_P097" (solid, pour order 97): 4565,3825 4565,4025 4545,4025 4535,4035 4535,4085 4660,4085 4660,4035 4650,4025 4630,4025 4630,3825

## Keep-outs
Top Layer:
  region: 8940,1225 9200,1225 9200,965 8940,965
GND:
  region: 8940,1225 9200,1225 9200,965 8940,965
Power:
  region: 8940,1225 9200,1225 9200,965 8940,965
Bottom Layer:
  region: 8940,1225 9200,1225 9200,965 8940,965

## Silkscreen, mask and mechanical layers (free items; w line width, h text height)
Top Overlay:
  lines w10: 419.72,15 4520,15 4520,2185 15,2185 15,420 ccw(c420,420) 420,15 ; 419.72,6070 4520,6070 4520,2200 15,2200 15,5665 cw(c420,5665) 420,6070 ; 8820,6070 cw(c8820,5665) 9225,5665 9225,3210 7515,3210 7515,6070 8820.28,6070 ; 9220,414.99 9220,2100 6265,2100 6265,15 8820.01,15 ccw(c8817.5,417.5) 9220,420 ; 30,2215 1600,2215 1600,5365 30,5365 30,2215 ; 4535,15 4535,2685 6250,2685 6250,15 4535,15 ; 4535,2700 7500,2700 7500,4085 4535,4085 4535,2700 ; 4535,4100 4535,6070 7500,6070 7500,4100 4535,4100
  text "LMSD-DIU" at 7640,2610 h196.85
  text "Version 3.0" at 7699.68,2424.68 h118.11
  text "Please Work" at 8613.94,38.94 h19.68
Bottom Overlay:
  text "LMSD-DIU" at 2661.26,5496.26 h590.55 r90
  text "Version 3.0" at 3115.94,5470.94 h314.96 r90
Mechanical 1:
  lines w10: 9239.32,419.3 9239.32,3660 9239.32,5665.7 ; 9239.32,420.7 cw(c8819.31,420.01) 8820,0 420,0 cw(c420,420) 0,420 0,5665 cw(c420,5665) 420,6085 8820,6085 cw(c8819.31,5664.99) 9239.32,5664.3

## Text inside footprints (layer, text, board x,y; h text height)
D11: Top Overlay "*" at 5927.29,5003.47 h50 r270
U4: Top Overlay "*" at 7160,1155 h50
U7: Top Overlay "*" at 1883.25,1284.16 h50
U8: Top Overlay "*" at 470.25,1232 h50
U9: Top Overlay "*" at 7810,3635 h50 r90
U10: Top Overlay "*" at 8160,5150 h50 r270
X2: Top Overlay "*" at 7867,1449.9 h50 r270